# Altium PCB ШЮГИ.758724.220 Т9М.PcbDoc (continued)
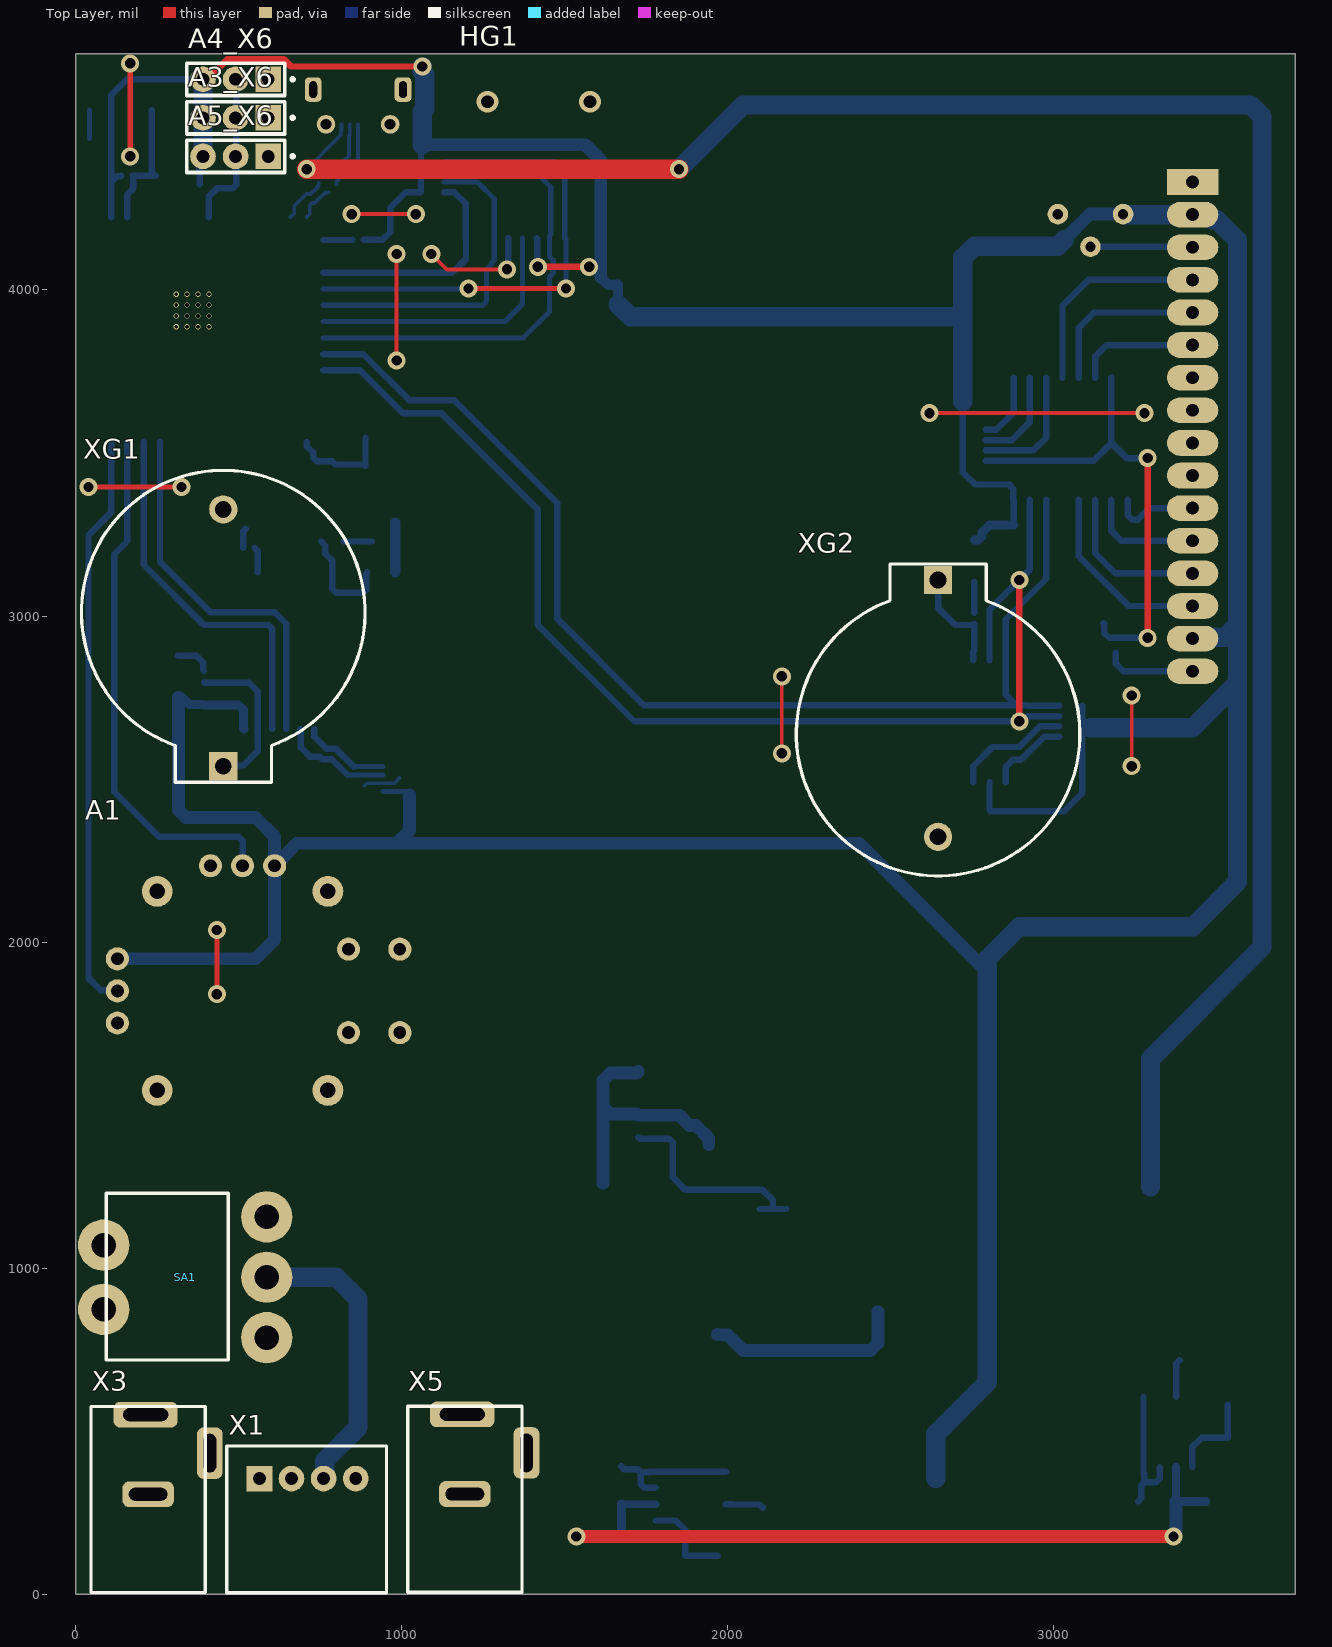
[diagram p0: Top Layer view]
## Footprints (in the part's own frame and the unit in brackets; to place one, negate y for a bottom-side part, rotate by r counter-clockwise, add the part's x,y. Pads: shape width x height; smd on the part's side, far side on the other; paste and mask are expansions set on the pad) (continued)
  silkscreen extent -2.1,-1.6 2.1,1.6, body extent -2.55,-1.65 2.55,1.65, height 2.5
TSOP8 [mm] "TSOP, 8-Leads, Body 3,00x4,40mm, Pitch 0,65mm, IPC Medium Density"
  oval 1.4x0.45 smd: 1(-2.95,0.975) 2(-2.95,0.325) 3(-2.95,-0.325) 4(-2.95,-0.975) 5(2.95,-0.975) 6(2.95,-0.325) 7(2.95,0.325) 8(2.95,0.975)
  silkscreen extent -3.07,-1.55 1.85,1.87, body extent -3.2,-1.55 3.2,1.55, height 1.1
U.FL-R-SMT-1 [mm]
  rect 1.05x2.2 smd mask+0.051: 0(-1.475,0) 0(1.475,0)
  rect 1x1.05 smd mask+0.051: 1(0,-1.525)
  Top Layer keep-out region: -0.89,1.549 0.888,1.549 0.888,-0.94 -0.89,-0.94
  body extent -1.5,-1.55 1.5,1.55, height 1.29
НР1-86-6 [mm] "Chip Array, Concave, 8-Leads, Pitch 0,80mm,  Body 3,20x1,60mm,  IPC Medium Density"
  rect 0.95x0.5 smd: 1(-0.9,1.2) 2(-0.9,0.4) 3(-0.9,-0.4) 4(-0.9,-1.2) 5(0.9,-1.2) 6(0.9,-0.4) 7(0.9,0.4) 8(0.9,1.2)
  silkscreen extent -1.41,1.41 -1.31,1.51, body extent -0.95,-1.7 0.95,1.7, height 0.5

## Part data
A1: library part KY-023, Part Number=KY-023, ValueBOM="KY-023 Aitewin Robot", ValueSCH=KY-023, ГОСТ="Aitewin Robot", ТИП=Устройтсво
A1_C15 A2_C15 C1 C2 C5 C6 C7 C10 C11 C12 C13 C14: library part 0603B104J500CT, Power="50 V", Mark=104, Part Number=0603B104J500CT, Perk="±5 %", ValueBOM="0603B104J500CT Thunder", ValueSCH=0603B104J500CT, ГОСТ=Thunder, Диэлектрик=X7R, ТИП=Конденсатор
A1_C16 A2_C16: library part 0603B561J500CT, Power="50 V", Mark=561, Part Number=0603B561J500CT, Perk="±5 %", ValueBOM="0603B561J500CT Thunder", ValueSCH=0603B561J500CT, ГОСТ=Thunder, Диэлектрик=X7R, ТИП=Конденсатор
A1_C17 A2_C17: library part JCK1C100M040054, Power="16 V", Mark=100, Part Number=JCK1C100M040054, ValueBOM="JCK1C100M040054 JB Capacitors", ValueSCH=JCK1C100M040054, ГОСТ="JB Capacitors", ТИП=Конденсатор
A1_DA2 A2_DA2: ValueBOM="MC34063ADG ON Semiconductor", Part Number=MC34063ADG, ValueSCH=MC34063ADG, ГОСТ="ON Semiconductor", ТИП=Микросхема
A1_L3 A2_L3: library part CDRH74NP-101MC-B, Current A=0,6, Part Number=CDRH74NP-101MC-B, Perc %=20, ValueBOM="CDRH74NP-101MC-B SUMIDA CORPORATION", ValueSCH=CDRH74NP-101MC-B, ГОСТ="SUMIDA CORPORATION", ТИП=Дроссель
A1_R16 A2_R16: library part CRL1206-FW-R220ELF, Power="0,25 Вт", Part Number=CRL1206-FW-R220ELF, Perk=±1%, ValueBOM="CRL1206-FW-R220ELF Bourns", ValueSCH=CRL1206-FW-R220ELF, ГОСТ=Bourns, ТИП=Резистор
A1_R17 A2_R17: library part "Р1-12-0,25-1,21 кОм±2 %-Т-Л-М", Power=0,25, Part Number="Р1-12-0,25-1,21 кОм±2 %-Т-Л-М", Perk="±2 %", ValueBOM="Р1-12-0,25-1,21 кОм±2 %-Т-Л-М АБШК.434110.023 ТУ", ValueSCH="Р1-12-0,25-1,21 кОм±2 %-Т-Л-М", ГОСТ="АБШК.434110.023 ТУ", ТИП=Резистор
A1_R18 A2_R18: library part "Р1-12-0,25-3,65 кОм±2 %-Т-Л-М", Power=0,25, Part Number="Р1-12-0,25-3,65 кОм±2 %-Т-Л-М", Perk="±2 %", ValueBOM="Р1-12-0,25-3,65 кОм±2 %-Т-Л-М АБШК.434110.023 ТУ", ValueSCH="Р1-12-0,25-3,65 кОм±2 %-Т-Л-М", ГОСТ="АБШК.434110.023 ТУ", ТИП=Резистор
A1_VD4 A2_VD4: library part 10MQ040, "Диод Шоттки", Part Number=10MQ040, Uf=0,5, Ur=40, ValueBOM="10MQ040 Sunmate Electronics", ValueSCH=10MQ040, ГОСТ="Sunmate Electronics", ТИП="Диод Шоттки"
A3_X6 A4_X6 A5_X6: ValueBOM="DS1021-01-1*3SSF112 Connfly electronic", Part Number=DS1021-01-1*3SSF112, ValueSCH=DS1021-01-1*3SSF112, ГОСТ="Connfly electronic", ТИП=Соединитель
C3: library part JCK1E100M050054, Power="25 V", Mark=100, Part Number=JCK1E100M050054, ValueBOM="JCK1E100M050054 JB Capacitors", ValueSCH=JCK1E100M050054, ГОСТ="JB Capacitors", ТИП=Конденсатор
C4: library part JCK1E470M063054, Power="25 V", Mark=470, Part Number=JCK1E470M063054, ValueBOM="JCK1E470M063054 JB Capacitors", ValueSCH=JCK1E470M063054, ГОСТ="JB Capacitors", ТИП=Конденсатор
C8: library part JCK1E220M063054, Power="25 V", Mark=220, Part Number=JCK1E220M063054, ValueBOM="JCK1E220M063054 JB Capacitors", ValueSCH=JCK1E220M063054, ГОСТ="JB Capacitors", ТИП=Конденсатор
C9: library part JCK1C221M080105, Power="16 V", Mark=221, Part Number=JCK1C221M080105, ValueBOM="JCK1C221M080105 JB Capacitors", ValueSCH=JCK1C221M080105, ГОСТ="JB Capacitors", ТИП=Конденсатор
DA1: ValueBOM="XL6009E1 Shanghai Xinlong Semiconductor Technology Co., Ltd", Part Number=XL6009E1, ValueSCH=XL6009E1, ГОСТ="Shanghai Xinlong Semiconductor Technology Co., Ltd"
DD1: ValueBOM="ESP32-S3-WROOM1 MON16R8 Espressif", Part Number="ESP32-S3-WROOM1 MON16R8", ValueSCH="ESP32-S3-WROOM1 MON16R8", ГОСТ=Espressif, ТИП=Микросхема
DD2: "I2C расширитель портов ввода/вывода PCF8574", ValueBOM="PCF8574T Philips Semiconductors", Part Number=PCF8574T, ValueSCH=PCF8574T, ГОСТ="Philips Semiconductors", Интерфейс=I2C, ТИП=Микросхема
DD3: ValueBOM="NEO-6M U-Blox", Part Number=NEO-6M, ValueSCH=NEO-6M, ГОСТ=U-Blox, Интерфейс=UART, ТИП=Микросхема
DD4: ValueBOM="DS3231S# Maxim Integrated Products", Part Number=DS3231S#, ValueSCH=DS3231S#, ГОСТ="Maxim Integrated Products", Интерфейс=I2C, ТИП=Микросхема
DD5: ValueBOM="24AA32AT-I/ST Microchip Technology", Part Number=24AA32AT-I/ST, ValueSCH=24AA32AT-I/ST, ГОСТ="Microchip Technology", Интерфейс=I2C, ТИП=Микросхема
HG1: library part BCB2004-03-LW-SNMWD, "ЖКИ 20*4 англо-русский WH2004A-YGH-CT(K)", Part Number=BCB2004-03-LW-SNMWD, ValueBOM="BCB2004-03-LW-SNMWD Blaze Display Technology", ValueSCH=BCB2004-03-LW-SNMWD, ГОСТ="Blaze Display Technology", ТИП=Оптоэлектроника
HL1: library part FYLS-0603GC, If mA=12, Part Number=FYLS-0603GC, ValueBOM="FYLS-0603GC Ningbo Foryard Optoelectronics", ValueSCH=FYLS-0603GC, Vf V=2, ГОСТ="Ningbo Foryard Optoelectronics", ТИП=Светодиод, Цвет=Зеленый
L1: library part 7448991470, Current A=1,5, Part Number=7448991470, Perk=0,2, ValueBOM="7448991470 Würth Elektronik", ValueSCH=7448991470, ГОСТ="Würth Elektronik", ТИП="Дроссель связный"
L2: library part LQM21DN220N00L, Part Number=LQM21DN220N00L, ValueBOM="LQM21DN220N00L Murata Electronics", ValueSCH=LQM21DN220N00L, ГОСТ="Murata Electronics", ТИП=Дроссель
R1 R2 R3 R5: library part "Р1-12-0,063-10 кОм±2 %-Т-Л-М", Power=0,063, Part Number="Р1-12-0,063-10 кОм±2 %-Т-Л-М", Perk="±2 %", ValueBOM="Р1-12-0,063-10 кОм±2 %-Т-Л-М АБШК.434110.023 ТУ", ValueSCH="Р1-12-0,063-10 кОм±2 %-Т-Л-М", ГОСТ="АБШК.434110.023 ТУ", ТИП=Резистор
R4 R7 R14: library part "НР1-86-6-10 кОм±1 %-М-«А»", Power="0,0625 Вт", Part Number="НР1-86-6-10 кОм±1 %-М-«А»", Perk="±1 %", ValueBOM="НР1-86-6-10 кОм±1 %-М-«А» ШКАБ.434110.039 ТУ", ValueSCH="НР1-86-6-10 кОм±1 %-М-«А»", ГОСТ="ШКАБ.434110.039 ТУ", ТИП=Резистор
R6: library part "Р1-12-0,063-86,6 кОм±2 %-Т-Л-М", Power=0,063, Part Number="Р1-12-0,063-86,6 кОм±2 %-Т-Л-М", Perk="±2 %", ValueBOM="Р1-12-0,063-86,6 кОм±2 %-Т-Л-М АБШК.434110.023 ТУ", ValueSCH="Р1-12-0,063-86,6 кОм±2 %-Т-Л-М", ГОСТ="АБШК.434110.023 ТУ", ТИП=Резистор
R8: library part 3362P-1-103LF, Part Number=3362P-1-103LF, ValueBOM="3362P-1-103LF Bourns", ValueSCH=3362P-1-103LF, ГОСТ=Bourns, ТИП=Резистор
R9 R10: library part "Р1-12-0,063-22,1 Ом±2 %-Т-Л-М", Power=0,063, Part Number="Р1-12-0,063-22,1 Ом±2 %-Т-Л-М", Perk="±2 %", ValueBOM="Р1-12-0,063-22,1 Ом±2 %-Т-Л-М АБШК.434110.023 ТУ", ValueSCH="Р1-12-0,063-22,1 Ом±2 %-Т-Л-М", ГОСТ="АБШК.434110.023 ТУ", ТИП=Резистор
R11 R13 R15: library part "Р1-12-0,063-1 кОм±2 %-Т-Л-М", Power=0,063, Part Number="Р1-12-0,063-1 кОм±2 %-Т-Л-М", Perk="±2 %", ValueBOM="Р1-12-0,063-1 кОм±2 %-Т-Л-М АБШК.434110.023 ТУ", ValueSCH="Р1-12-0,063-1 кОм±2 %-Т-Л-М", ГОСТ="АБШК.434110.023 ТУ", ТИП=Резистор
R12: library part "Р1-12-0,125-22,1 Ом±2 %-Т-Л-М", Power=0,125, Part Number="Р1-12-0,125-22,1 Ом±2 %-Т-Л-М", Perk="±2 %", ValueBOM="Р1-12-0,125-22,1 Ом±2 %-Т-Л-М АБШК.434110.023 ТУ", ValueSCH="Р1-12-0,125-22,1 Ом±2 %-Т-Л-М", ГОСТ="АБШК.434110.023 ТУ", ТИП=Резистор
SA1: library part MTS-103-C3, Part Number=MTS-103-C3, ValueBOM="MTS-103-C3 Massuse Ltd.", ValueSCH=MTS-103-C3, ГОСТ="Massuse Ltd.", ТИП=переключатель
SB1 SB2: library part KLS7-TS3401-2.5-250-B, Part Number=KLS7-TS3401-2.5-250-B, ValueBOM="KLS7-TS3401-2.5-250-B KLS Electronics Co., Ltd.", ValueSCH=KLS7-TS3401-2.5-250-B, ГОСТ="KLS Electronics Co., Ltd.", ТИП="Тактовая кнопка"
VD1: library part VS-50WQ03FN-M3, "Диод Шоттки", Part Number=VS-50WQ03FN-M3, Uf=0,35, Ur=30, ValueBOM="VS-50WQ03FN-M3 Vishay Intertechnology Inc.", ValueSCH=VS-50WQ03FN-M3, ГОСТ="Vishay Intertechnology Inc.", ТИП="Диод Шоттки"
VD2 VD3: library part LL4148, "Выпрямительный диод", Part Number=LL4148, Uобр=75, Uпр=1, ValueBOM="LL4148 Diotec Semiconductor", ValueSCH=LL4148, ГОСТ="Diotec Semiconductor", ТИП=Диод
VT1: library part BC847, Part Number=BC847, Uкб=50, Uкэ=45, Uэб=6, ValueBOM="BC847 NXP Semiconductors", ValueSCH=BC847, ГОСТ="NXP Semiconductors", ТИП=Транзистор
X1: library part DS1069-4MRW6XB, Component Type=Standard, Part Number=DS1069-4MRW6XB, Pin Count=4, System=Connector, ValueBOM="DS1069-4MRW6XB Connfly electronic", ValueSCH=DS1069-4MRW6XB, ГОСТ="Connfly electronic", ТИП=Разъем
X2: ValueBOM="1050017-0001 Molex", Part Number=1050017-0001, ValueSCH=1050017-0001, ГОСТ=Molex, ТИП=Соединитель
X3 X5: library part DS-261A-PA9T-NB-210, Component Type=Standard, Part Number=DS-261A-PA9T-NB-210, Pin Count=3, System=Connector, ValueBOM="DS-261A-PA9T-NB-210 Dragon City Industries", ValueSCH=DS-261A-PA9T-NB-210, ГОСТ="Dragon City Industries", ТИП=Разъем
X4: ValueBOM="TFP09-2-12B Shenzhen Chipskey Technology Co., Ltd.", Part Number=TFP09-2-12B, ValueSCH=TFP09-2-12B, ГОСТ="Shenzhen Chipskey Technology Co., Ltd.", ТИП=Соединитель
XG1 XG2: library part KLS5-CR2032-01, Part Number=KLS5-CR2032-01, ValueBOM="KLS5-CR2032-01 KLS electronic co ltd", ValueSCH=KLS5-CR2032-01, ГОСТ="KLS electronic co ltd", ТИП=Батарейка
XW1: library part U.FL-R-SMT-1, Part Number=U.FL-R-SMT-1, ValueBOM="U.FL-R-SMT-1 HIROSE ELECTRIC CO., LTD.", ValueSCH=U.FL-R-SMT-1, ГОСТ="HIROSE ELECTRIC CO., LTD.", ТИП=Соединитель

## Via types
v1: diameter 55.12, hole 31.5, Top Layer to Bottom Layer, 31 vias
v2: diameter 15.75, hole 11.81, Top Layer to Bottom Layer, 16 vias
v3: diameter 66.93, hole 39.37, Top Layer to Bottom Layer, 2 vias

## Nets (pads, with @x,y where several pads share a name; then routed paths per layer and width w, separated by ;. In a path a pad name is that pad's centre, name@x,y a point inside that pad or via, vN(x,y) a via of type N, cw(c..) or ccw(c..) an arc to the next point about the centre after c; other vN are vias at no path point)
1D_N: R9.1 X2.2 | length 189.7
  Bottom Layer w11.81: R9.1 778.75,4353.08 782.8,4357.13 784.49,4357.13 838.58,4411.22 838.58,4471.99 840.55,4473.96 X2.2
1D_P: R10.1 X2.3 | length 211.7
  Bottom Layer w11.81: R10.1 799.93,4331.9 803.98,4335.95 803.98,4337.64 866.14,4399.8 X2.3
1Wire: A3_X6.2 A4_X6.2 A5_X6.2 DD1.8 R1.1 | length 485.8
  Bottom Layer w19.68: DD1.8 408.66,4286.61 433.07,4311.02 480.59,4311.02 492.13,4322.55 492.13,4644.09 A4_X6.2
3V3: A1.1 A1.1' A2_C17.1 A2_L3.2 A2_R18.2 A3_X6.3 A4_X6.3 A5_X6.3 C6.1 C7.2 C11.2 C12.1 C13.1 C14.1 DD1.2 DD2.16 DD3.23 DD4.2 DD5.8 HG1.2 HG1.15 R1.2 R2.2 R3.1 R4.1 R4.2 R4.3 R4.4 R7.1 R7.2 R7.3 R7.4 R8.3 R14.1 R14.2 R14.3 R14.4 VD2.1 VD3.1 X4.4 | length 17052.1
  Top Layer w19.68: A4_X6.3 404.25,4645.67 465.27,4706.69 638.89,4706.69 660.54,4685.04 v1(1062.99,4685.04) ; v1(1417.32,4070.87) v1(1574.8,4070.87)
  Bottom Layer w15.75: DD5.8 1012.8,2461.61 C14.1
  Bottom Layer w19.68: DD1.2 108.66,4330.31 ; R3.1 137.8,4348.43 126.77,4348.43 108.66,4330.31 ; R1.2 381.17,4400.07 A5_X6.3 ; A4_X6.3 157.48,4645.67 108.66,4596.85 108.66,4330.31 ; R2.2 940.94,4153.54 964.57,4177.17 964.57,4251.97 1011.81,4299.21 R4.1 R4.2 R4.3 R4.4 1059.06,4440.94 1062.99,4444.88 ; X4.4 1415.36,4156.3 1415.36,4072.83 v1(1417.32,4070.87) ; v1(1574.8,4070.87) 1578.74,4074.8 1610.24,4074.8 ; 2720.2,3657.76 2720.2,3570.87 R7.4 R7.3 R7.2 R7.1 2720.48,3440.95 2758.08,3403.35 2862.69,3403.35 2875.44,3390.6 2875.44,3357.05 DD2.16 C11.2@2876.19,3279.72 ; DD4.2 2802.17,2404.53 C12.1 3031.5,2401.58 3086.62,2456.69 R14.4 R14.3 R14.1
  Bottom Layer w27.56: VD2.1@326.77,2750.98 348.62,2729.13 390.95,2729.13 C13.1 499.6,2726.38 514.86,2711.12 514.86,2654.43 DD3.23 ; VD3.1 2767.72,3233.27 2778.55,3244.09 2778.55,3255.91 2802.37,3279.72 C11.2@2876.19,3279.72
  Bottom Layer w31.5: 1610.24,4038.81 1633.3,4015.75 C7.2 1663.39,3955.46
  Bottom Layer w39.37: A1.1' 551.18,1948.82 610.24,2007.87 A1.1 ; VD2.1 314.96,2404.95 338.02,2381.89 551.18,2381.89 610.24,2322.83 A1.1 ; C14.1 1023.62,2342.52 984.25,2303.15 ; 1062.99,4444.88 1562.99,4444.88 1610.24,4397.64 1610.24,4074.8 1610.24,4038.81 ; 2795.28,1909.45 2401.57,2303.15 984.25,2303.15 ; 3031.5,4153.54 3110.24,4232.28 R8.3 ; A1.1 679.13,2303.15 984.25,2303.15
  Bottom Layer w59.05: A5_X6.3 A3_X6.3 A4_X6.3 ; 1062.99,4444.88 1062.99,4547.24 1070.87,4555.12 1070.87,4661.2 1062.99,4669.08 v1(1062.99,4685.04) ; 1663.39,3955.46 1701.52,3917.32 2720.2,3917.32 ; A2_C17.1 2637.8,492.13 2795.28,649.61 2795.28,1909.45 2795.28,1948.82 2893.7,2047.24 3425.2,2047.24 3562.99,2185.04 3562.99,2795.27 ; 2720.2,3657.76 2720.2,3917.32 ; 3031.5,4153.54 3011.82,4133.86 2755.91,4133.86 2720.2,4098.15 2720.2,3917.32 ; 3110.24,2657.48 3425.2,2657.48 3562.99,2795.27 ; R8.3 3212.88,4232.28 3214.46,4230.71 HG1.2 3469.89,4230.71 3485.25,4215.35 3499.63,4215.35 3562.99,4151.99 3562.99,2972.43 ; HG1.15 3428.96,2934.48 3525.03,2934.48 3562.99,2972.43 ; 3562.99,2795.27 3562.99,2972.43
5VD: A1_C17.1 A1_L3.2 A1_R18.2 X2.1 | length 6631.6
  Top Layer w59.05: v1(708.66,4370.08) v1(1850.39,4370.08)
  Bottom Layer w11.81: v1(708.66,4370.08) 812.99,4474.41 812.99,4487.2 814.96,4489.17 X2.1
  Bottom Layer w59.05: v1(1850.39,4370.08) 2047.24,4566.93 3603.2,4566.93 3637.8,4532.34 3637.8,1984.25 3295.56,1642.01 A1_C17.1
12VP: A1_C15.1 A1_DA2.6 A1_R16.1 A2_C15.1 A2_DA2.6 A2_R16.1 C9.1 C10.1 R6.2 VD1.2 X5.1 | length 2949.8
  Top Layer w39.37: v1(1535.43,177.17) v1(3366.14,177.17)
  Bottom Layer w23.62: A2_R16.1@1673.26,276.54 A2_DA2.6 ; A1_R16.1@3374.33,284.76 A1_DA2.6
  Bottom Layer w27.56: A2_C15.1 A2_R16.1 ; A1_R16.1 A1_C15.1
  Bottom Layer w39.37: C10.1 1969.49,796.26 1999.02,796.26 2047.24,748.03 2437.12,748.03 2460.18,771.09 C9.1 ; v1(3366.14,177.17) 3366.14,181.43 3374.3,189.58 A1_R16.1
ADC3: A1.2' DD1.39 | length 1776.8
  Bottom Layer w19.68: DD1.39 108.66,3317.32 39.37,3248.03 39.37,1889.76 77.1,1852.04 126.31,1852.04 A1.2'
ADC4: A1.2 DD1.38 | length 1621.7
  Bottom Layer w19.68: DD1.38 158.66,3229.53 118.11,3188.98 118.11,2460.63 255.91,2322.83 500.28,2322.83 511.81,2311.3 A1.2
BOOT0: C1.1 DD1.27 SB2.2 | length 312.5
  Bottom Layer w19.68: DD1.27 708.66,3521.14 716.54,3513.27 716.82,3513.27 728.35,3501.74 728.35,3485.94 739.88,3474.41 C1.1 ; C1.1@787.4,3473.43 796.26,3464.57 884.84,3464.57 888.78,3460.63 SB2.2@888.78,3547.24
C\S\: DD1.18 R4.5 X4.2 | length 1488.7
  Top Layer w15.75: v1(1204.72,4003.94) v1(1503.94,4003.94)
  Bottom Layer w15.75: DD1.18 1203.74,4002.95 v1(1204.72,4003.94) ; R4.5 1468.5,4393.7 1500,4362.2 X4.2 1503.94,4154.33 v1(1503.94,4003.94)
CLK: DD1.20 X4.5 | length 835.3
  Bottom Layer w15.75: DD1.20 1316.34,3902.95 1370.1,3956.72 1370.1,4047.34 1370.08,4090.44 X4.5
D1_N: DD1.13 R9.2 | length 149.2
  Bottom Layer w11.81: DD1.13 670.47,4234.76 670.47,4257.06 707.01,4293.6 720.97,4293.6 741.3,4313.94 741.3,4315.62 745.35,4319.67 R9.2
D1_P: DD1.14 R10.2 | length 113.4
  Bottom Layer w11.81: DD1.14 717.71,4232 717.71,4259.13 724.63,4266.04 732.38,4266.04 760.79,4294.45 762.47,4294.45 766.52,4298.5 R10.2
DET: DD1.17 R4.8 X4.9 | length 706.3
  Bottom Layer w19.68: DD1.17 1155.31,4052.95 1196.9,4094.54 X4.9 1196.85,4158.32 1196.85,4263.78 1161.42,4299.21 R4.8
GND: A1.3 A1.3' A1_C15.2 A1_C16.2 A1_C17.2 A1_DA2.4 A1_R17.1 A1_VD4.1 A2_C15.2 A2_C16.2 A2_C17.2 A2_DA2.4 A2_R17.1 A2_VD4.1 A3_X6.1 A4_X6.1 A5_X6.1 C1.2 C2.2 C4.2 C5.2 C6.2 C7.1 C9.2 C10.2 C11.1 C12.2 C13.2 C14.2 DA1.1 DD1.1 DD1.40 DD1.41 DD2.8 DD3.7 DD3.10 DD3.12 DD3.13 DD3.24 DD4.5 DD4.6 DD4.7 DD4.8 DD4.9 DD4.10 DD4.11 DD4.12 DD4.13 DD5.1 DD5.2 DD5.3 DD5.4 DD5.7 HG1.1 HL1.2 L1.1 R5.1 R8.1 SB1.1 SB2.1 VT1.2 X1.4 X2.5 X4.6 X4.10 X5.2 XG1.1 XG2.1 XW1.0 | length 2988.5
  Top Layer w11.81: v1(846.46,4232.28) v1(1043.31,4232.28) ; v1(984.25,3783.46) v1(984.25,4110.24) ; v1(1090.55,4110.24) 1137.8,4062.99 v1(1322.83,4062.99) ; v1(2165.35,2578.74) v1(2165.35,2814.96) ; v1(2618.11,3622.05) v1(3277.56,3622.05) ; v1(3238.19,2539.37) v1(3238.19,2755.91)
  Top Layer w15.75: v1(39.37,3395.67) v1(324.8,3395.67) ; v1(167.32,4409.45) v1(167.32,4694.88) ; v1(433.07,1840.55) v1(433.07,2037.4)
  Bottom Layer w11.81: v1(846.46,4232.28) v1@856.3,4242.13 ; 885.83,2480.32 892.72,2487.2 DD5.7 977.36,2487.2 993.11,2502.95 ; v1@968.5,4102.36 976.38,4102.36 v1(984.25,4110.24)
  Bottom Layer w15.75: SB1.1@42.32,4464.57 SB1.1@42.32,4551.18
  Bottom Layer w19.68: v1(1322.83,4062.99) 1326.8,4066.96 X4.6
  other v2: 308.66,3886.77 341.97,3886.77 375.28,3886.77 408.58,3886.77 308.66,3920.08 341.97,3920.08 375.28,3920.08 408.58,3920.08 308.66,3953.39 341.97,3953.39 375.28,3953.39 408.58,3953.39 308.66,3986.69 341.97,3986.69 375.28,3986.69 408.58,3986.69
IO3: DD1.15 R2.1 | length 90
  Bottom Layer w19.68: DD1.15 847.83,4152.95 R2.1
MISO: DD1.19 R4.7 X4.7 | length 1005.5
  Bottom Layer w15.75: DD1.19 1248.23,3952.95 1259.84,3964.57 1259.84,4062.99 1275.59,4078.74 1275.59,4082.56 1283.5,4090.47 X4.7 1283.5,4279.49 1232.28,4330.71 R4.7
MOSI: DD1.21 R4.6 X4.3 | length 1466.9
  Bottom Layer w15.75: DD1.21 1372.64,3852.95 1452.76,3933.07 1452.76,4039.49 1464.57,4051.3 1464.57,4090.44 1452.76,4102.25 1452.76,4165.34 1456.7,4169.29 1456.7,4314.95 1409.45,4362.2 R4.6
NetA1_C16_1: A1_C16.1 A1_DA2.3 | length 117.7
  Bottom Layer w19.68: A1_DA2.3 3375.08,605.87 3375.08,625.38 3375.28,625.58 3375.28,708.94 3384.14,717.8 A1_C16.1
NetA1_DA2_1: A1_DA2.1 A1_DA2.7 A1_DA2.8 A1_R16.2 | length 416.7
  Bottom Layer w19.68: A1_R16.2 3267.72,294.29 3267.72,334.65 3276.86,343.79 ; A1_DA2.1 A1_DA2.8 3274.33,372.75 3276.86,370.22 3276.86,343.79 ; A1_DA2.7 3324.33,355.32 3312.8,343.79 3276.86,343.79
NetA1_DA2_2: A1_DA2.2 A1_L3.1 A1_VD4.2
NetA1_DA2_5: A1_DA2.5 A1_R17.2 A1_R18.1 | length 282.1
  Bottom Layer w19.68: A1_DA2.5 3424.33,451.89 3453.04,480.6 A1_R17.2 A1_R18.1
NetA2_C16_1: A2_C16.1 A2_DA2.3 | length 117.7
  Bottom Layer w19.68: A2_DA2.3 1994.37,275.79 2013.88,275.79 2014.08,275.59 2097.44,275.59 2106.3,266.73 A2_C16.1
NetA2_DA2_1: A2_DA2.1 A2_DA2.7 A2_DA2.8 A2_R16.2 | length 416.7
  Bottom Layer w19.68: A2_R16.2 1682.79,383.16 1723.14,383.16 1732.28,374.02 ; A2_DA2.7 1743.81,326.54 1732.28,338.07 1732.28,374.02 ; A2_DA2.1 A2_DA2.8 1761.25,376.54 1758.72,374.02 1732.28,374.02
NetA2_DA2_2: A2_DA2.2 A2_L3.1 A2_VD4.2
NetA2_DA2_5: A2_DA2.5 A2_R17.2 A2_R18.1 | length 282.1
  Bottom Layer w19.68: A2_DA2.5 1840.39,226.54 1869.09,197.83 A2_R17.2 A2_R18.1
NetC3_1: C3.1 X1.1 X3.1
NetC3_2: C3.2 X1.2 X3.2
NetC4_1: C4.1 C5.1 DA1.2 DA1.4 L1.3 SA1.1 SA1.3 | length 819.4
  Bottom Layer w39.37: C5.1 1616.88,1260.71 1616.88,1496.17 ; DA1.2 1721.01,1599.09 1640.5,1599.09 1616.88,1575.47 1616.88,1496.17 ; L1.3 1941.48,1398.31 1902.11,1437.68 1882.43,1437.68 1850.93,1469.17 DA1.4 1721.01,1473.11 1639.94,1473.11 1616.88,1496.17
NetC8_1: C8.1 DA1.3 L1.4
NetC8_2: C8.2 L1.2 VD1.1
NetDA1_5: DA1.5 R5.2 R6.1 | length 665.3
  Bottom Layer w19.68: DA1.5 1729.55,1397.64 1819.18,1397.64 1830.71,1386.11 1830.71,1279.53 1870.08,1240.16 2106.3,1240.16 2138.33,1208.12 2138.33,1181.77 ; R5.2 2138.33,1181.77 ; R6.1 2138.33,1181.77
NetDD2_1: DD2.1 R7.5 | length 213
  Bottom Layer w19.68: R7.5 2822.84,3570.87 2876.19,3624.21 DD2.1
NetDD2_2: DD2.2 R7.6 | length 292.9
  Bottom Layer w19.68: R7.6 2870.09,3539.37 2926.19,3595.47 DD2.2
NetDD2_3: DD2.3 R7.7 | length 384.3
  Bottom Layer w19.68: R7.7 2937.02,3507.87 2976.19,3547.05 DD2.3
NetDD2_4: DD2.4 HG1.4 | length 633.2
  Bottom Layer w19.68: DD2.4 3026.19,3951.38 3105.52,4030.71 HG1.4@3405.51,4030.71
NetDD2_5: DD2.5 HG1.5 | length 501.9
  Bottom Layer w19.68: DD2.5 3076.19,3883.27 3123.63,3930.71 HG1.5@3405.51,3930.71
NetDD2_6: DD2.6 HG1.6 | length 359.1
  Bottom Layer w19.68: DD2.6 3126.19,3795.47 3161.42,3830.71 HG1.6@3405.51,3830.71
NetDD2_7: DD2.7 R7.8 VT1.1 | length 1459.4
  Top Layer w19.68: v1(3287.41,2933.07) v1(3287.41,3484.25)
  Bottom Layer w19.68: R7.8 3122.05,3476.38 3176.19,3530.51 ; VT1.1 3153.55,2976.38 3153.55,2948.82 3169.3,2933.07 v1(3287.41,2933.07) ; DD2.7 3176.19,3530.51 ; v1(3287.41,3484.25) 3222.45,3484.25 3176.19,3530.51
NetDD2_9: DD2.9 HG1.11 | length 246.6
  Bottom Layer w19.68: DD2.9 3226.19,3309.25 3239.89,3295.56 3256.19,3295.56 3291.35,3330.71 HG1.11@3405.51,3330.71
NetDD2_10: DD2.10 HG1.12 | length 337.3
  Bottom Layer w19.68: DD2.10 3176.19,3260.83 3206.31,3230.71 HG1.12@3405.51,3230.71
NetDD2_11: DD2.11 HG1.13 | length 468.6
  Bottom Layer w19.68: DD2.11 3126.19,3192.72 3188.2,3130.71 HG1.13@3405.51,3130.71
NetDD2_12: DD2.12 HG1.14 | length 565.3
  Bottom Layer w19.68: DD2.12 3076.19,3183.65 3229.13,3030.71 HG1.14@3405.51,3030.71
NetDD3_3: DD3.3 R11.2 | length 78.9
  Bottom Layer w19.68: R11.2 559.06,3198.82 DD3.3
NetDD3_9: DD3.9 R12.2 | length 327.5
  Bottom Layer w19.68: R12.2 765.75,3215.55 765.75,3190.94 787.4,3169.29 787.4,3082.4 798.93,3070.87 882.17,3070.87 890.68,3079.37 890.68,3130.84 DD3.9
NetDD3_11: DD3.11 L2.1 XW1.1 | length 152.6
  Bottom Layer w31.5: DD3.11 XW1.1
NetDD3_18: DD3.18 DD5.5 | length 272.2
  Bottom Layer w15.75: 852.61,2538.39 DD5.5
  Bottom Layer w19.68: DD3.18 732.28,2629.92 769.76,2592.44 798.56,2592.44 852.61,2538.39
NetDD3_19: DD3.19 DD5.6 | length 344.5
  Bottom Layer w15.75: 833.66,2512.8 DD5.6
  Bottom Layer w19.68: DD3.19 690.17,2652.35 690.17,2597.23 718.5,2568.9 748.77,2568.9 756.72,2560.95 785.51,2560.95 826.77,2519.69 833.66,2512.8
NetDD3_22: DD3.22 R13.1 XG1.2 | length 484.6
  Bottom Layer w19.68: R13.1 395.67,2795.28 531.5,2795.28 559.06,2767.72 DD3.22 559.06,2586.61 514.06,2541.62 455,2541.62 XG1.2
NetDD4_1: DD4.1 R14.5 | length 249
  Bottom Layer w19.68: DD4.1 2852.17,2537.21 2874.02,2559.06 2898.88,2559.06 2969.75,2629.92 R14.5
NetDD4_3: DD4.3 R14.6 | length 363.4
  Bottom Layer w19.68: DD4.3 2752.17,2539.37 2811.23,2598.43 2893.71,2598.43 2956.7,2661.42 R14.6
NetDD4_14: DD4.14 R15.2 XG2.2 | length 331.1
  Bottom Layer w19.68: XG2.2 2644.59,3024.71 2696.86,2972.44 2753.94,2972.44 R15.2 2755.91,2894.56 2752.17,2890.82 DD4.14
NetHG1_3: HG1.3 R8.2 | length 294.3
  Bottom Layer w19.68: R8.2 3403.94,4132.28 HG1.3@3405.51,4130.71
NetHG1_16: HG1.16 VT1.3 | length 259.8
  Bottom Layer w19.68: VT1.3 3188.98,2854.33 3212.61,2830.71 HG1.16@3405.51,2830.71
NetHL1_1: HL1.1 R11.1 | length 62.3
  Bottom Layer w19.68: R11.1 513.78,3259.84 HL1.1
NetL2_2: L2.2 R12.1 | length 86.2
  Bottom Layer w19.68: R12.1 L2.2
NetR13_2: R13.2 VD2.2 | length 110.6
  Bottom Layer w19.68: VD2.2 315.24,2878.66 369.37,2878.66 391.73,2856.3 391.73,2834.65 R13.2
NetR15_1: R15.1 VD3.2 | length 95.5
  Bottom Layer w19.68: R15.1 VD3.2
NetSA1_2: SA1.2 X1.3 | length 902.2
  Bottom Layer w59.05: SA1.2 799.21,972.44 866.14,905.51 866.14,511.81 764.15,409.82 764.15,358.77 X1.3
R\S\T\: C2.1 DD1.3 R3.2 SB1.2 | length 414
  Bottom Layer w19.68: DD1.3 158.66,4292.52 177.17,4311.02 177.17,4348.43 R3.2 C2.1 244.09,4350.39 235.24,4359.25 235.24,4361.22 233.27,4363.19 SB1.2@233.27,4551.18
Rx: DD1.36 DD3.20 | length 1155
  Bottom Layer w19.68: DD1.36 258.66,3166.53 413.39,3011.81 610.24,3011.81 645.67,2976.38 DD3.20
SCL: DD1.22 DD2.14 DD4.16 R14.8 | length 3605.8
  Bottom Layer w19.68: DD1.22 882.09,3802.95 1023.62,3661.42 1161.42,3661.42 1476.38,3346.46 1476.38,2992.13 1742.13,2726.38 2883.87,2726.38 ; DD2.14 2976.19,3113.98 2852.17,2989.96 DD4.16 2852.17,2758.07 2883.87,2726.38 ; R14.8 2916.06,2724.41 2914.09,2726.38 2883.87,2726.38
SDA: DD1.23 DD2.15 DD4.15 R14.7 | length 3893.4
  Top Layer w19.68: v1(2893.71,2677.17) v1(2893.71,3110.24)
  Bottom Layer w19.68: DD1.23 873.03,3752.95 1003.94,3622.05 1122.05,3622.05 1417.32,3326.77 1417.32,2972.44 1712.6,2677.17 v1(2893.71,2677.17) 2903.3,2677.17 2919.04,2692.91 R14.7 ; DD4.15 2802.17,3018.7 2926.19,3142.72 DD2.15
Tx: DD1.37 DD3.21 | length 1157.8
  Bottom Layer w19.68: DD1.37 208.66,3157.48 393.7,2972.44 590.55,2972.44 602.36,2960.63 DD3.21
pads on no net: A1.0 A1.1S A1.2S DD1.4 DD1.5 DD1.6 DD1.7 DD1.9 DD1.10 DD1.11 DD1.12 DD1.16 DD1.24 DD1.25 DD1.26 DD1.28 DD1.29 DD1.30 DD1.31 DD1.32 DD1.33 DD1.34 DD1.35 DD2.13 DD3.1 DD3.2 DD3.4 DD3.5 DD3.6 DD3.8 DD3.14 DD3.15 DD3.16 DD3.17 DD4.4 HG1.7 HG1.8 HG1.9 HG1.10 SA1.0 X2.0 X2.4 X3.3 X4.1 X4.8 X5.3
copper on no net:
  other v3: 1262.6,4576.77 1576.77,4576.77

## Polygon pours and split planes (outlines as drawn)
GND on Bottom Layer "GND_L02_P021" (solid, remove dead copper, pour order 21): 0,0 0,4724.41 3740.16,4724.41 3740.16,0
12VP on Bottom Layer "12VP_L02_P022" (solid, remove dead copper, pour order 22): 2007.87,826.77 2007.87,708.66 1653.54,708.66 1535.43,590.55 1535.43,314.96 1692.91,314.96 1692.91,157.48 1456.69,157.48 1456.69,511.81 1023.62,511.81 1023.62,826.77
12VP on Bottom Layer "12VP_L02_P020" (solid, remove dead copper, pour order 20): 2204.72,1259.84 2204.72,1062.99 2362.2,1062.99 2362.2,708.66 2598.43,708.66 2598.43,1259.84
NetC4_1 on Bottom Layer "NETC4_1_L02_P019" (solid, remove dead copper, pour order 19): 433.07,1338.58 433.07,708.66 787.4,708.66 787.4,984.25 1653.54,984.25 1653.54,1299.21 629.92,1299.21 629.92,1338.58
5VD on Bottom Layer "5VD_L02_P018" (solid, remove dead copper, pour order 18): 3493.39,678.43 3591.82,678.43 3591.82,1170.56 3355.6,1170.56 3355.6,1367.41 3198.12,1367.41 3198.12,1131.19 3434.34,1131.19 3434.34,816.23 3493.39,816.23
NetA2_DA2_2 on Bottom Layer "NETA2_DA2_2_L02_P016" (solid, remove dead copper, pour order 16): 1968.5,295.28 2185.04,295.28 2244.09,354.33 2421.26,354.33 2421.26,472.44 1968.5,472.44
3V3 on Bottom Layer "3V3_L02_P017" (solid, remove dead copper, pour order 17): 2066.93,157.48 2066.93,59.06 2559.06,59.06 2559.06,295.28 2755.91,295.28 2755.91,452.76 2519.68,452.76 2519.68,216.54 2204.72,216.54 2204.72,157.48
NetA1_DA2_2 on Bottom Layer "NETA1_DA2_2_L02_P015" (solid, remove dead copper, pour order 15): 3355.6,580.01 3355.6,796.54 3296.54,855.6 3296.54,1032.76 3178.43,1032.76 3178.43,580.01
NetC8_2 on Bottom Layer "NETC8_2_L02_P014" (solid, remove dead copper, pour order 14): 2066.93,1456.69 2066.93,1259.84 2303.15,1259.84 2303.15,1535.43 2578.74,1535.43 2578.74,1850.39 2500,1929.13 2381.89,1929.13 2303.15,1850.39 2303.15,1614.17
NetC8_1 on Bottom Layer "NETC8_1_L02_P013" (solid, remove dead copper, pour order 13): 1673.23,1574.8 1673.23,1496.06 2027.56,1496.06 2027.56,1771.65 2185.04,1929.13 2263.78,1929.13 2342.52,2007.87 2224.41,2125.98 2185.04,2125.98 1830.71,1771.65 1830.71,1574.8
NetC3_2 on Bottom Layer "NETC3_2_L02_P012" (solid, remove dead copper, pour order 12): 118.11,393.7 118.11,236.22 708.66,236.22 708.66,472.44 748.03,472.44 748.03,629.92 472.44,629.92 472.44,393.7
NetC3_1 on Bottom Layer "NETC3_1_L02_P011" (solid, remove dead copper, pour order 11): 472.44,511.81 472.44,314.96 590.55,314.96 590.55,629.92 118.11,629.92 118.11,511.81

## Silkscreen, mask and mechanical layers (free items; w line width, h text height)
Mechanical 1:
  the board outline again, w3.94